# Altium PCB Sexy Rodent.PcbDoc
Units mil, origin at the board's own origin, x right, y up, seen from the top; angles counter-clockwise.
Board outline 2325 x 3380 mil, 2 copper layers (Top Layer, Bottom Layer); 62 components, 38 nets, 162 pads, 169 vias.
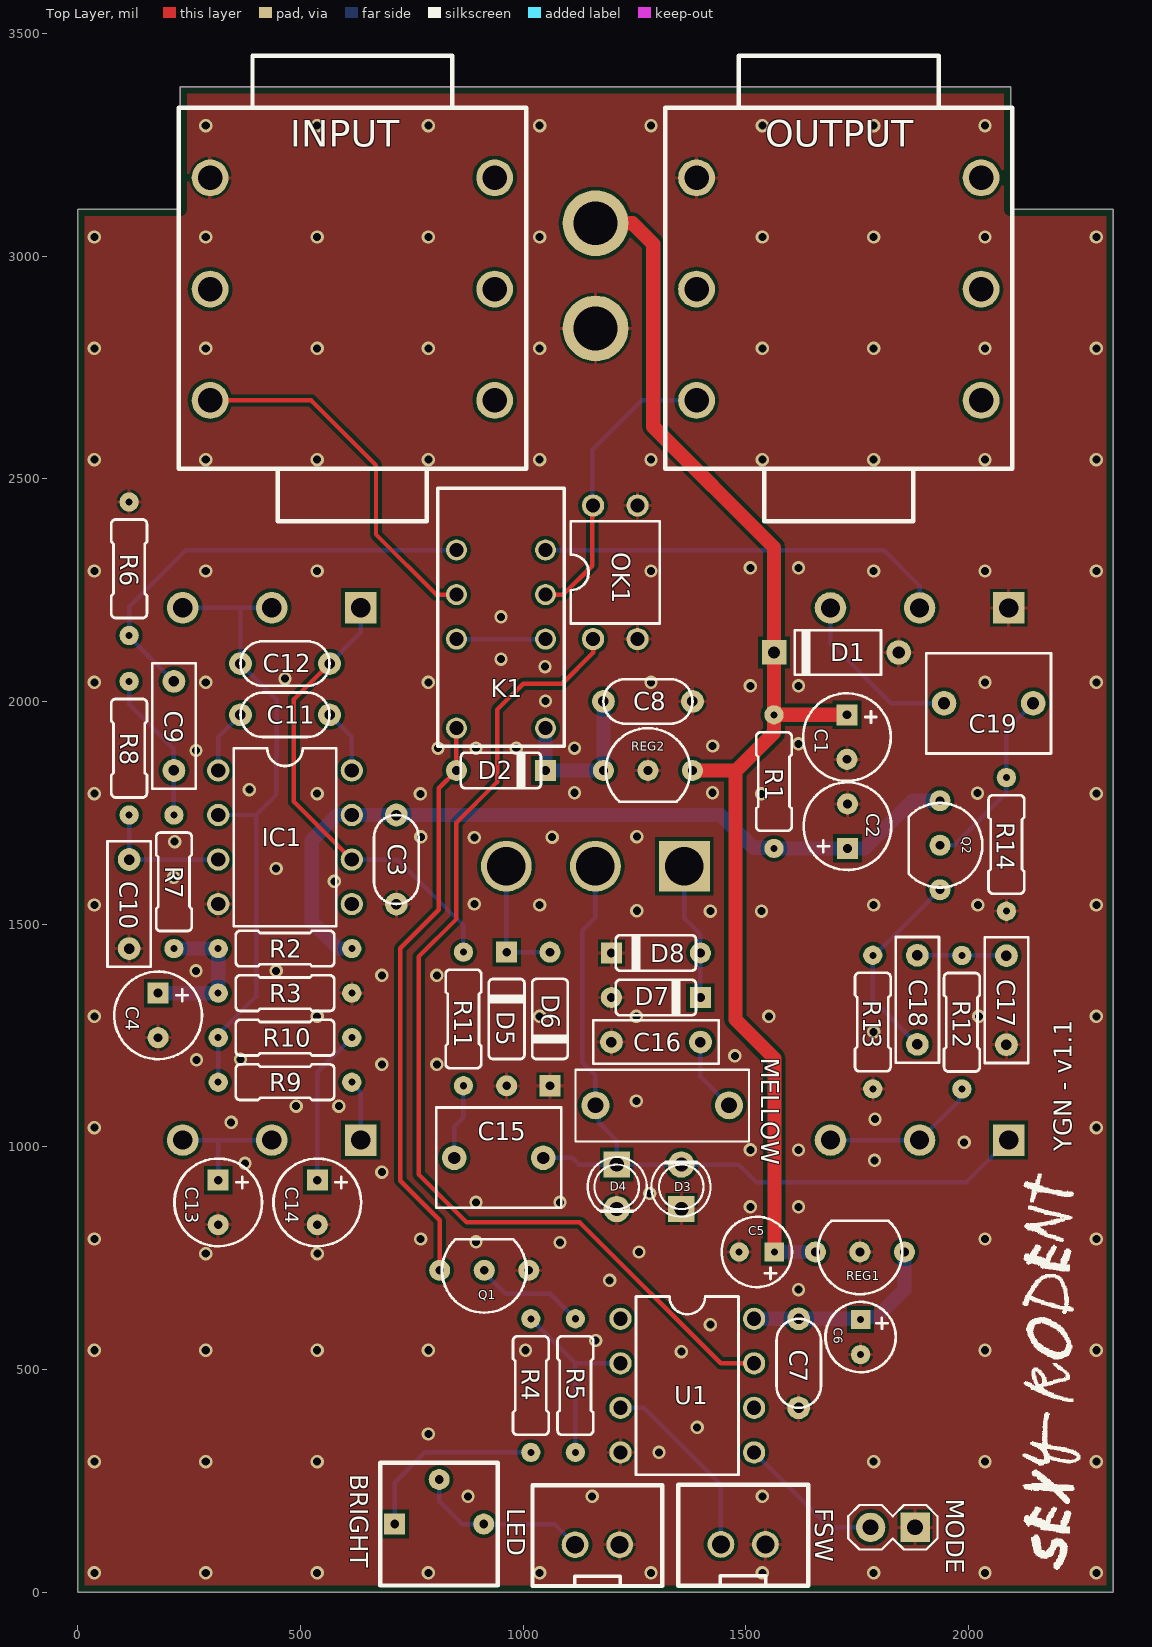
[diagram p0: Top Layer view]
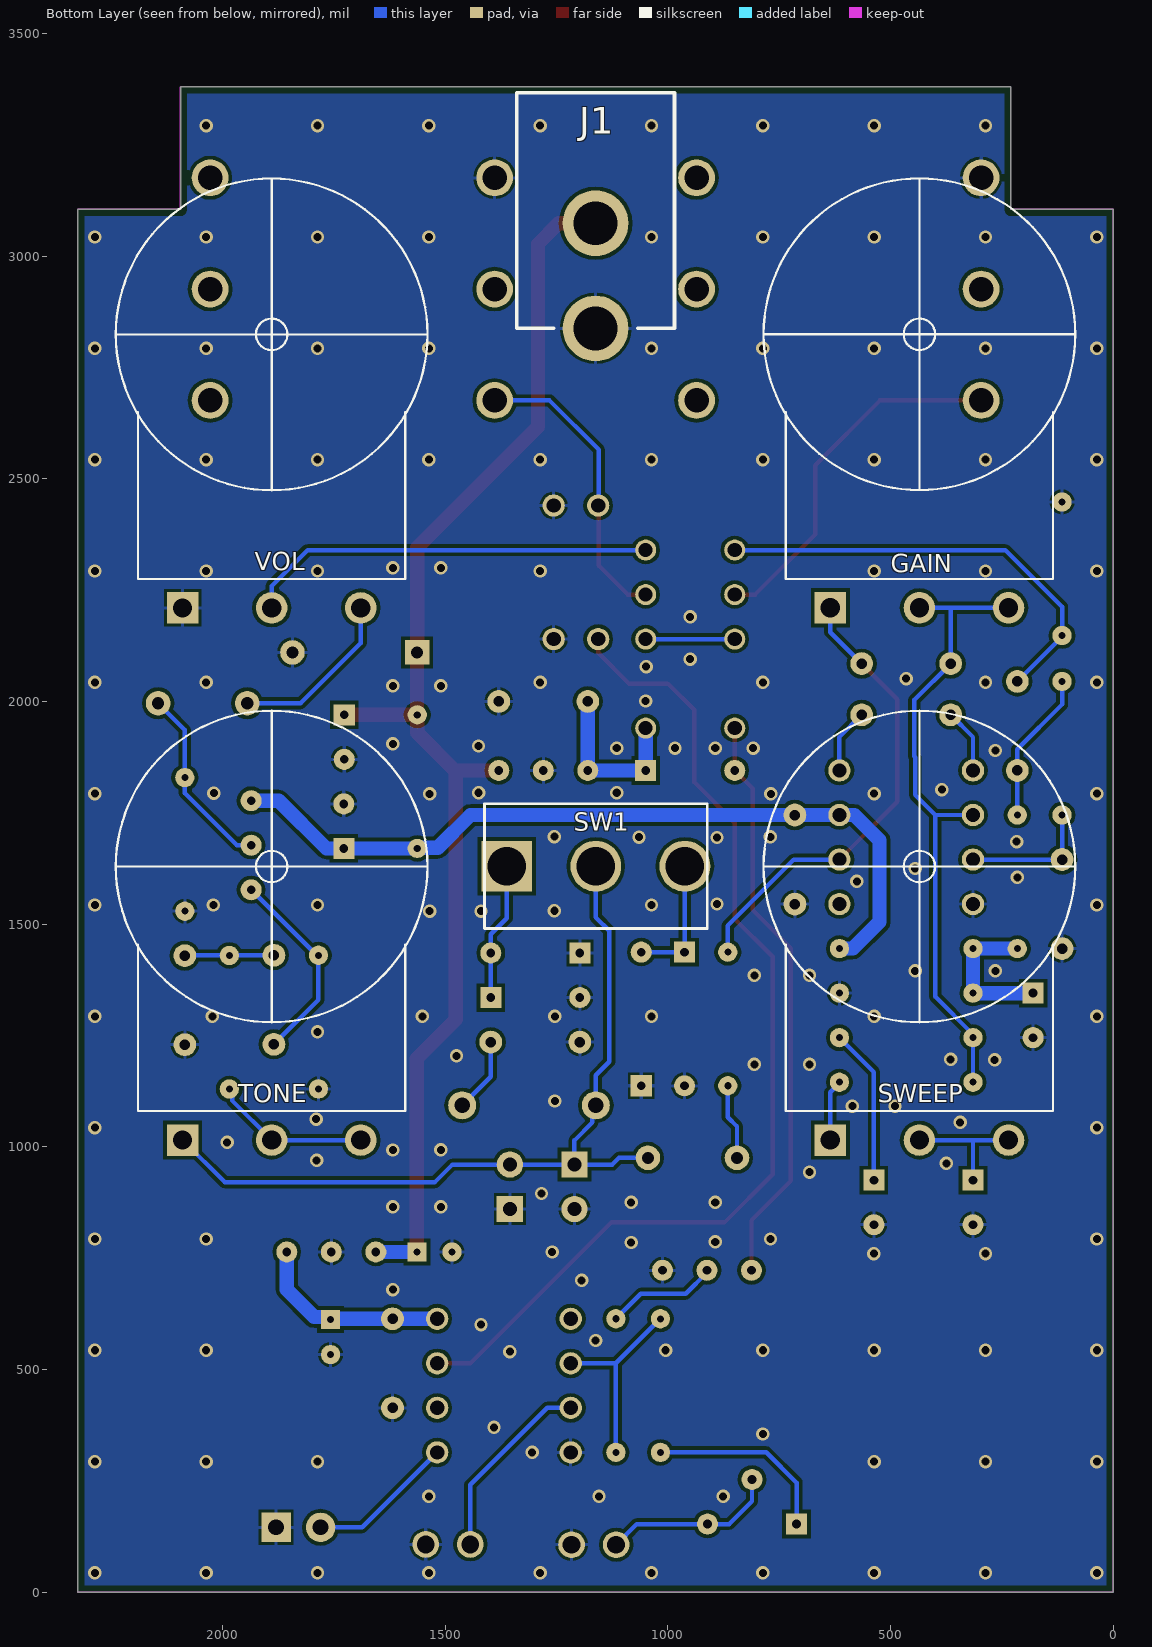
[diagram p1: Bottom Layer view, seen from below]
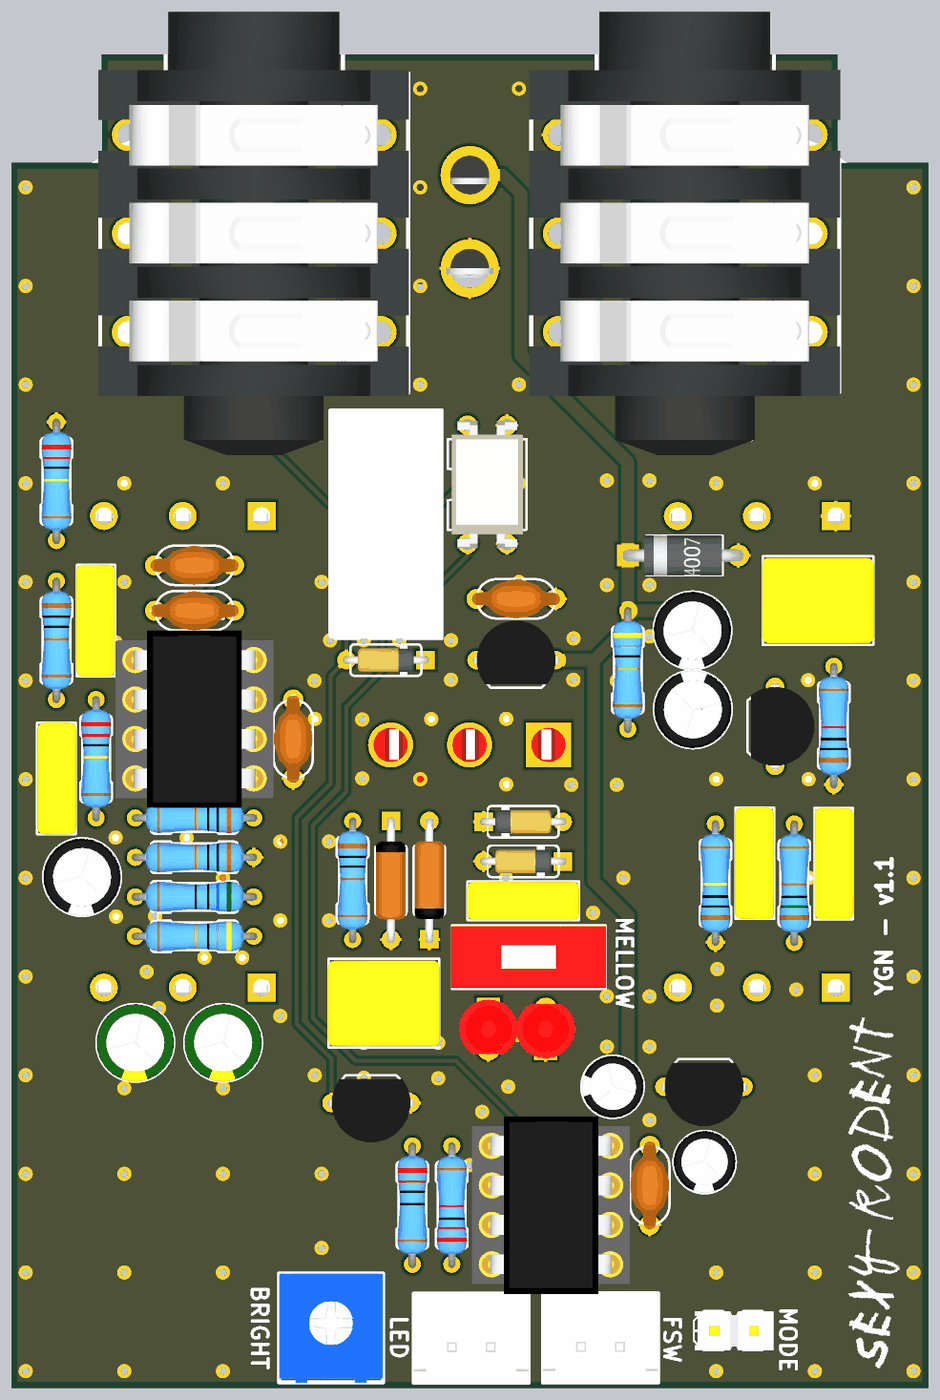
[diagram p2: 3D render of the assembled board from above, using the file's embedded part models]
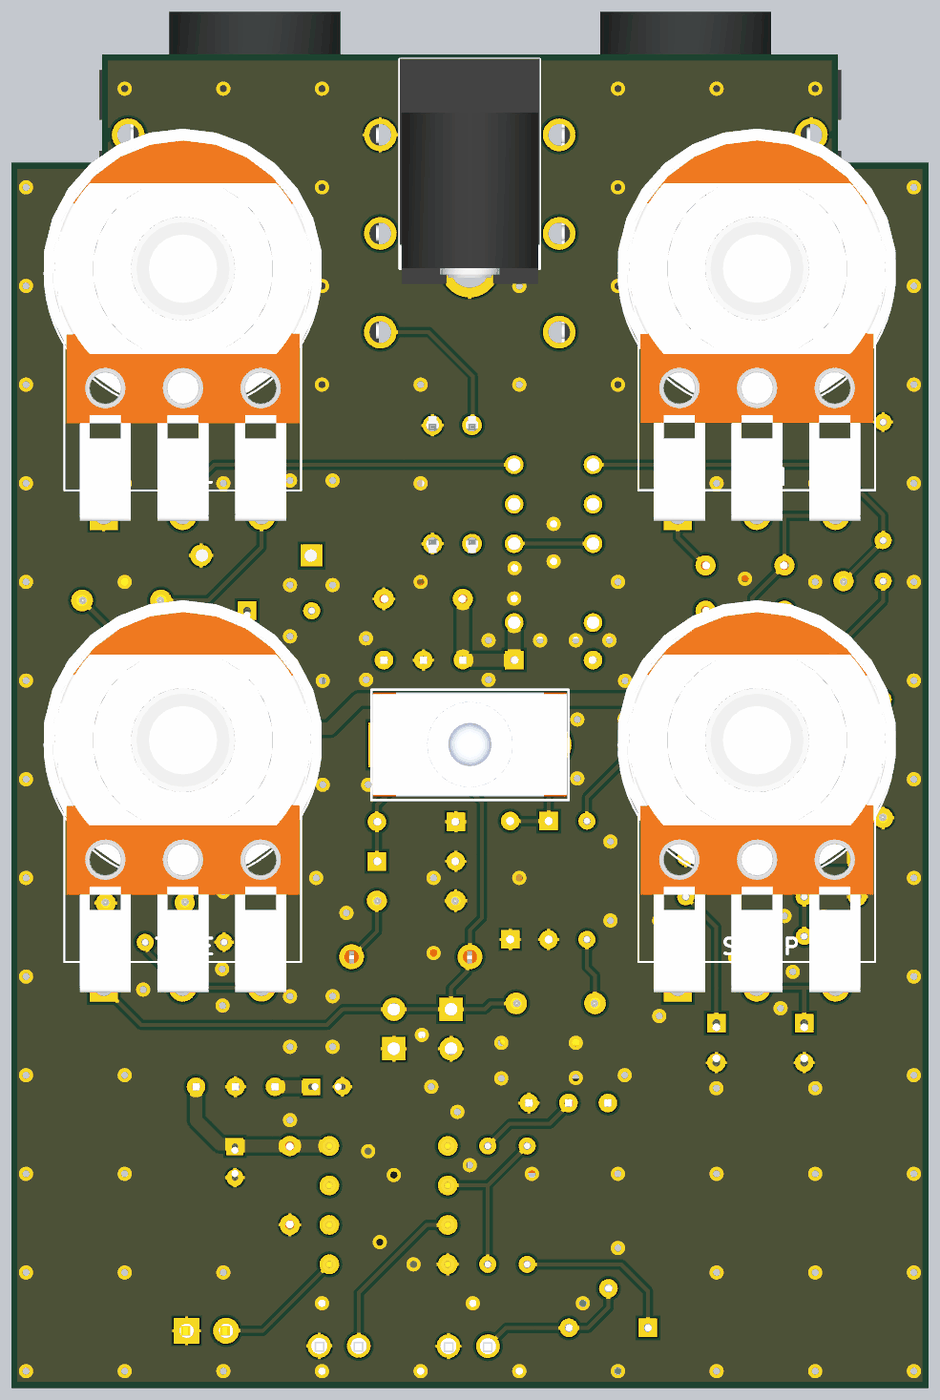
[diagram p3: 3D render of the assembled board from below, using the file's embedded part models]

## Layer stack, top to bottom
Top Solder: solder mask 0.4, Solder Resist, Dk 3.5
Top Layer: signal copper 1.4
Dielectric 1: dielectric 12.6, FR-4, Dk 4.8
Bottom Layer: signal copper 1.4
Bottom Solder: solder mask 0.4, Solder Resist, Dk 3.5

## Board outline
2094.65,3380 2094.65,3105 2325,3105 2325,0 0,0 0,3105 230,3105 230,3380

## Design rules (kind name [scope] priority, off if disabled: settings)
BoardOutlineClearance BottomOverlay [OnLayer('Bottom Overlay')] p1: gap=0 ignorepadtopadclearanceinfootprint=FALSE
BoardOutlineClearance TopOverlay [OnLayer('Top Overlay')] p2: gap=0 ignorepadtopadclearanceinfootprint=FALSE
BoardOutlineClearance [All] p3: gap=15 ignorepadtopadclearanceinfootprint=FALSE
Clearance [All] p1: gap=8 ignorepadtopadclearanceinfootprint=FALSE except(0: Arc-Text Arc-Hole Track-Text Track-Hole SMDPad-Text SMDPad-Hole THPad-Text THPad-Hole Via-Text Via-Hole Fill-Text Fill-Hole Poly-Text Poly-Hole Region-Text Region-Hole Text-Text Text-Hole)
ComponentClearance [All] p1 off: gap=1 collisioncheckmode=3 verticalgap=1 showdistances=FALSE
DiffPairsRouting [All] p1: maxlimit=393.7 minlimit=6 mostfreqgap=8 toplayer_minwidth=6 toplayer_maxwidth=15 toplayer_prefwidth=8 bottomlayer_minwidth=6 bottomlayer_maxwidth=15 bottomlayer_prefwidth=8 maxuncoupledlength=500
Height [All] p1 off: minheight=0 maxheight=1000 prefheight=500
HoleSize [All] p1: absolutevalues=TRUE maxlimit=265 minlimit=13 maxpercent=80.000 minpercent=20.000
HoleToHoleClearance [All] p1: gap=10 allowstackedmicrovias=FALSE
MinimumAnnularRing [All] p1: minimumring=6
MinimumSolderMaskSliver [All] p1: minsoldermaskwidth=0
PlaneClearance [All] p1: clearance=10
PlaneConnect [All] p1: planeconnectstyle=Direct reliefexpansion=16 reliefentries=4 reliefconductorwidth=6 reliefairgap=6
PolygonConnect Vias [All vs IsVia] p1: connectstyle=Direct reliefconductorwidth=10 reliefentries=4 polygonreliefangle="90 Angle" airgapwidth=10
PolygonConnect [All] p2: connectstyle=Relief reliefconductorwidth=8 reliefentries=4 polygonreliefangle="90 Angle" airgapwidth=6
RoutingCorners [All] p1: cornerstyle=45-Degree minsetback=49.21 maxsetback=49.21
RoutingVias [All] p1: holewidth=15 width=30 viastyle="Through Hole" minholewidth=13 minwidth=27 maxholewidth=100 maxwidth=114
SilkToSilkClearance [All] p1 off: silktosilkclearance=0
SilkToSolderMaskClearance [IsPad] p1 off: minsilkscreentomaskgap=6 clearancetoexposedcopper=TRUE
SolderMaskExpansion [All] p1: expansion=2.95
Width [All] p1: maxlimit=32 minlimit=10 preferedwidth=10
19 further rules are at their usual default settings.

## Components (designator, comment, footprint, x,y, rotation, side; value= is the part's Value field where it differs from the comment)
BRIGHT "10kB" BOURNS_3362P 811,152.74 r0 top
C1 "100u" ELEC_050_020 1727,1920 r270 top
C2 "100u" ELEC_050_020 1728.02,1720 r90 top
C3 "100n" CER_050 715,1645 r270 top
C4 "47u" ELEC_050_020 180,1295 r270 top
C5 "10u" ELEC_040_020 1525,763.74 r180 top
C6 "10u" ELEC_040_020 1757.66,573.27 r270 top
C7 "100n" CER_050 1618.59,513.69 r90 top
C8 "100n" CER_050 1280,2000.1 r180 top
C9 "22n" FILMBOX_SMALL 215.51,1945 r90 top
C10 "1n" FILMBOX_SMALL 115,1545 r270 top
C11 "30p" CER_050 465,1970 r180 top
C12 "100p" CER_050 465,2085 r180 top
C13 "2.2u" ELEC_LESR_050_020 315,875 r270 top
C14 "4.7u" ELEC_LESR_050_020 537.5,875 r270 top
C15 "1u" FILMBOX_BIG 945,978 r180 top
C16 "10n" FILMBOX_SMALL 1298,1235 r180 top
C17 "3.3n" FILMBOX_SMALL 2085,1329.15 r270 top
C18 "22n" FILMBOX_SMALL 1885,1330 r90 top
C19 "1u" FILMBOX_BIG 2045,1993 r0 top
D1 "1N4002" DO41_2 1703.34,2110 r0 top
D2 "1N4148" DO35_2 950,1845 r180 top
D3 "D_LED" LED_3MM 1355,910 r90 top
D4 "D_LED" LED_3MM 1210,910 r270 top
D5 "1N34A" DO35_3 962.73,1286.89 r270 top
D6 "1N34A" DO35_3 1060,1287 r90 top
D7 "1N4148" DO35_2 1297.87,1335 r180 top
D8 "1N4148" DO35_2 1297.87,1435.25 r0 top
FSW "J_JST-XH-02" JST-XH-02 1493.9,107.03 r0 top
GAIN "100kA" ALPHA_16mm_BOTTOM 435.26,2209.62 r180 bottom locked
IC1 "LM308N" DIL8 465,1695 r270 top
INPUT "J_STEREO" STEREO 616.36,2926 r90 top
J1 "J_DC_JACK" DC_JACK 1162.5,3257.15 r0 bottom
K1 "NA5W-K" NA5 950,2190 r90 top
LED "J_JST-XH-02" JST-XH-02 1166.45,106.38 r0 top
MELLOW "DIP" DIP_1WAY 1312.09,1043 r270 top
MODE "" HEADER_2PINS 1830,145.36 r0 top
OK1 "TLP222G" DIL4 1206.75,2290 r0 top
OUTPUT "J_STEREO" STEREO 1708.62,2926 r90 top
Q1 "2N3904" TO92 912.45,722.55 r180 top
Q2 "2N5457" TO92 1936,1677.11 r270 top
R1 "47R" R_3_47R_025W 1563.02,1820 r270 top
R2 "100k" R_3_100k_025W 465,1445 r180 top
R3 "100k" R_3_100k_025W 465,1345 r180 top
R4 "220R" R_3_220R_025W 1017,463.65 r270 top
R5 "22k" R_3_22k_025W 1117,463.74 r90 top
R6 "2.2M" R_3_2,2M_025W 115,2298 r270 top
R7 "2.2M" R_3_2,2M_025W 215.51,1595 r270 top
R8 "1k" R_3_1k_025W 115,1895 r270 top
R9 "47R" R_3_47R_025W 465,1145 r180 top
R10 "560R" R_3_560R_025W 465,1245 r180 top
R11 "1k" R_3_1k_025W 865.62,1287 r270 top
R12 "1.5k" R_3_1.5k_025W 1985,1279.62 r90 top
R13 "1M" R_3_1M_025W 1785,1280 r90 top
R14 "10k" R_3_10k_025W 2085,1679 r90 top
REG1 "LM78L05" TO92 1756.04,763.74 r180 top
REG2 "LM78L05" TO92 1280,1845 r0 top
SW1 "SPDT" SPDT 1162,1630 r0 bottom
SWEEP "1kB" ALPHA_16mm_BOTTOM 435.26,1014.37 r180 bottom locked
TONE "100kA" ALPHA_16mm_BOTTOM 1890,1014.37 r180 bottom locked
U1 "ATTINY85" DIP8 1368.39,463.65 r270 top
VOL "100kA" ALPHA_16mm_BOTTOM 1890,2209.37 r180 bottom locked

## Footprints (in the part's own frame and the unit in brackets; to place one, negate y for a bottom-side part, rotate by r counter-clockwise, add the part's x,y. Pads: shape width x height; smd on the part's side, far side on the other; paste and mask are expansions set on the pad)
ALPHA_16mm_BOTTOM [mil]
  rect 70.87x70.87 hole 43.31: 1(-200,0.63)
  round 70.87 hole 43.31: 2(0,0.63) 3(200,0.63)
  silkscreen extent -350,66 350,965, body extent -354,-12 445,982, height 1067
BOURNS_3362P [mil]
  rect 47.24x47.24 hole 19.69: 1(-99.75,0)
  round 47.24 hole 19.69: 2(0.25,100) 3(100.25,0)
  silkscreen extent -132,-138 132,138, body extent -132,-139 132,138, height 192
CER_050 [mil]
  round 51.18 hole 23.62: 1(-100,0) 2(100,0)
  silkscreen extent -100,-50 100,50, body extent -117,-49 110,66, height 196
DC_JACK [mil]
  round 147.65 hole 98.43: GND(0,183.15) PWR(0,419.37)
  silkscreen extent -177,-110 177,419, body extent -350,-112 177,458, height 433
DIL4 [mil]
  round 50 hole 32: 1(-50,-150) 2(50,-150) 3(50,150) 4(-50,150)
  silkscreen extent -100,-115 100,115, body extent -90,-173 90,173, height 174
DIL8 [mil]
  round 50 hole 32: 1(-150,-150) 2(-50,-150) 3(50,-150) 4(150,-150) 5(150,150) 6(50,150) 7(-50,150) 8(-150,150)
  silkscreen extent -200,-115 200,115, body extent -225,-200 225,200, height 335
DIP8 [mil]
  round 50 hole 32: 1(-150,-150) 2(-50,-150) 3(50,-150) 4(150,-150) 5(150,150) 6(50,150) 7(-50,150) 8(-150,150)
  silkscreen extent -200,-115 200,115, body extent -225,-200 225,200, height 335
DIP_1WAY [mil]
  round 62.99 hole 35.43: A1(-50,150) A2(-50,-150)
  silkscreen extent -130,-195 31,195, body extent -128,-197 29,197, height 259
DO35_2 [mil]
  round 47.24 hole 19.69: A(100,0)
  rect 47.24x47.24 hole 19.69: C(-100,0)
  silkscreen extent -90,-40 90,40, body extent -108,-30 108,30, height 60
DO35_3 [mil]
  round 47.24 hole 19.69: A(150,0)
  rect 47.24x47.24 hole 19.69: C(-150,0)
  silkscreen extent -90,-40 90,40, body extent -160,-38 160,38, height 77
DO41_2 [mil]
  round 55.12 hole 27.56: A(140,0)
  rect 55.12x55.12 hole 27.56: C(-140,0)
  silkscreen extent -94,-50 100,50, body extent -154,-52 154,52, height 112
ELEC_040_020 [mil]
  rect 43.31x43.31 hole 15.75: +(-38.8,0)
  round 43.31 hole 15.75: -(40,0)
  silkscreen extent -78,-79 80,79, body extent -79,-79 79,79, height 277
ELEC_050_020 [mil]
  rect 47.24x47.24 hole 19.69: +(-50,0)
  round 47.24 hole 19.69: -(50,0)
  silkscreen extent -98,-98 98,98, body extent -98,-98 98,98, height 277
ELEC_LESR_050_020 [mil]
  rect 47.24x47.24 hole 19.69: +(-50,0)
  round 47.24 hole 19.69: -(50,0)
  silkscreen extent -98,-98 98,98, body extent -98,-98 98,100, height 434
FILMBOX_BIG [mil]
  round 55.12 hole 27.56: 1(-100,3) 2(100,3)
  silkscreen extent -140,-110 140,115, body extent -142,-105 142,111, height 453
FILMBOX_SMALL [mil]
  round 51.18 hole 23.62: 1(-100,0) 2(100,0)
  silkscreen extent -141,-49 141,49, body extent -142,-48 142,50, height 256
HEADER_2PINS [mil]
  rect 66x66 hole 35.43: 1(50,0)
  round 66 hole 35.43: 2(-50,0)
  silkscreen extent -100,-50 100,50, body extent -102,-50 102,50, height 330
JST-XH-02 [mil]
  round 60 hole 40: 1(-50,0) 2(50,0)
  silkscreen extent -146,-93 146,134, body extent -146,-95 146,131, height 276
LED_3MM [mil]
  rect 59.06x59.06 hole 31.5: ANODE(-50,0)
  round 59.06 hole 31.5: P$1(50,0)
  silkscreen extent -67,-65 56,67, body extent -75,-75 160,75, height 221
NA5 [mil]
  round 47.25 hole 31.5: 1(-250,-100) 3(-50,-100) 4(50,-100) 5(150,-100) 8(150,100) 9(50,100) 10(-50,100) 12(-250,100)
  silkscreen extent -290,-142 289,142, body extent -291,-144 291,144, height 362
R_3_1.5k_025W [mil]
  round 43.31 hole 15.75: 1(-150,0) 2(150,0)
  silkscreen extent -111,-40 111,40, body extent -160,-38 160,38, height 83
R_3_1k_025W [mil]
  round 43.31 hole 15.75: 1(-150,0) 2(150,0)
  silkscreen extent -111,-40 111,40, body extent -160,-38 160,38, height 83
R_3_1M_025W [mil]
  round 43.31 hole 15.75: 1(-150,0) 2(150,0)
  silkscreen extent -111,-40 111,40, body extent -160,-38 160,38, height 83
R_3_2,2M_025W [mil]
  round 43.31 hole 15.75: 1(-150,0) 2(150,0)
  silkscreen extent -111,-40 111,40, body extent -160,-38 160,38, height 83
R_3_10k_025W [mil]
  round 43.31 hole 15.75: 1(-150,0) 2(150,0)
  silkscreen extent -111,-40 111,40, body extent -160,-38 160,38, height 83
R_3_22k_025W [mil]
  round 43.31 hole 15.75: 1(-150,0) 2(150,0)
  silkscreen extent -111,-40 111,40, body extent -160,-38 160,38, height 83
R_3_47R_025W [mil]
  round 43.31 hole 15.75: 1(-150,0) 2(150,0)
  silkscreen extent -111,-40 111,40, body extent -160,-38 160,38, height 83
R_3_100k_025W [mil]
  round 43.31 hole 15.75: 1(-150,0) 2(150,0)
  silkscreen extent -111,-40 111,40, body extent -160,-38 160,38, height 83
R_3_220R_025W [mil]
  round 43.31 hole 15.75: 1(-150,0) 2(150,0)
  silkscreen extent -111,-40 111,40, body extent -160,-38 160,38, height 83
R_3_560R_025W [mil]
  round 43.31 hole 15.75: 1(-150,0) 2(150,0)
  silkscreen extent -111,-40 111,40, body extent -160,-38 160,38, height 83
SPDT [mil]
  rect 114.17x114.17 hole 86.61: 1(200,0)
  round 114.17 hole 86.61: 2(0,0) 3(-200,0)
  silkscreen extent -250,-140 250,140, body extent -246,-145 246,131, height 1113
STEREO [mil]
  round 82.68 hole 55.12: R(0,319.49) RN(0,-319.49) S(250,319.49) SN(250,-319.49) T(-250,319.49) TN(-250,-319.49)
  silkscreen extent -522,-390 524,390, body extent -562,-392 562,395, height 610
TO92 [mil]
  round 47.24 hole 19.69: 1(100,0) 2(0,0) 3(-100,0)
  silkscreen extent -95,-70 95,95, body extent -109,-61 109,100, height 255

## Part data
BRIGHT: library part TRIM_10kB_3362P, "10k Lin 3362P trimmer", Price=0.1
C1 C2: library part C_ELEC_100u_16V, "100u 16V electrolytic capacitor", Package=Radial, Dimensions=5x8mm, PinSpacing=2mm, Price=0.02
C3 C7 C8: library part C_CER_100n, "100n MLCC X7R radial capacitor", Package=Radial, PinSpacing=5.08mm, Price=0.02
C4: library part C_ELEC_47u_25V, "47u 25V electrolytic capacitor", Package=Radial, Dimensions=5x8mm, PinSpacing=2mm, Price=0.02
C5 C6: library part C_ELEC_10u_50V, "10u 50V electrolytic capacitor", Package=Radial, Dimensions=4x8mm, PinSpacing=2mm, Price=0.02
C9 C18: library part C_FILMBOX_22n, "22n 100V polyester film box capacitor", Package=Radial, Dimensions=7.2x2.5x6.5mm, PinSpacing=5.08mm, Price=0.05
C10: library part C_FILMBOX_1n, "1n 100V polyester film box capacitor", Package=Radial, Dimensions=7.2x2.5x6.5mm, PinSpacing=5.08mm, Price=0.05
C11: library part C_CER_30p, "30p MLCC X7R radial capacitor", Package=Radial, PinSpacing=5.08mm, Price=0.01
C12: library part C_CER_100p, "100p MLCC X7R radial capacitor", Package=Radial, PinSpacing=5.08mm, Price=0.01
C13: library part C_ELEC_LESR_2.2u_50V, "2.2u 50V Low ESR ectrolytic capacitor", Package=Radial, Dimensions=5x11mm, PinSpacing=2mm, Price=0.05
C14: library part C_ELEC_LESR_4.7u_50V, "4.7u 50V Low ESR ectrolytic capacitor", Package=Radial, Dimensions=5x11mm, PinSpacing=2mm, Price=0.05
C15 C19: library part C_FILMBOX_1u, "1u 100V polyester film box capacitor", Package=Radial, Dimensions=7.2x6x11mm, PinSpacing=5.08mm, Price=0.1
C16: library part C_FILMBOX_10n, "10n 100V polyester film box capacitor", Package=Radial, Dimensions=7.2x2.5x6.5mm, PinSpacing=5.08mm, Price=0.05
C17: library part C_FILMBOX_3.3n, "3.3n 100V polyester film box capacitor", Package=Radial, Dimensions=7.2x2.5x6.5mm, PinSpacing=5.08mm, Price=0.05
D1: library part D_1N4002, Package=DO-41, PinSpacing=7.62mm, Price=0.01
D2 D7 D8: library part D_1N4148, Package=DO-35, PinSpacing=5.08mm, Price=0.01
D3 D4: "LED", Package=T1, Dimensions=3mm, Price=0.01
D5 D6: library part D_1N34A, Package=DO-7, PinSpacing=7.62mm, Price=0.2
FSW LED: "2 Pins male XH header", Price=0.1
GAIN TONE VOL: library part POT_100kA_ALPHA_16mm, "100k Log potentiometer round shaft", Package="PCB Mounted", Dimensions=16mm, Price=0.5
IC1: library part IC_LM308N, Package=DIP-8, Price=0.3
INPUT OUTPUT: "6.35mm stereo insulated socket jack PCB mounted", Price=0.5
J1: "DC Power jack 2.1mm barrel", Price=0.05
K1: library part K_NA5W-K, Price=1.1
MELLOW: library part SW_DIP_1WAY, "DIP Switch 1 way", Price=0.1
MODE: library part J_HEADER_2PINS, "2 Pins male header", Pin spacing=2.54mm, Price=0.01
OK1: library part OK_TLP222G, Price=0.36
Q1: library part Q_2N3904, Package=TO-92, Price=0.01
Q2: library part Q_2N5457, Package=TO-92, Price=0.2
R1 R9: library part R_3_47R_025W, "47R metal film 1/4W Resistor", PinSpacing=7.62mm, Price=0.01
R2 R3: library part R_3_100k_025W, "100k metal film 1/4W Resistor", PinSpacing=7.62mm, Price=0.01
R4: library part R_3_220R_025W, "220R metal film 1/4W Resistor", PinSpacing=7.62mm, Price=0.01
R5: library part R_3_22k_025W, "22k metal film 1/4W Resistor", PinSpacing=7.62mm, Price=0.01
R6 R7: library part R_3_2.2M_025W, "2.2M metal film 1/4W Resistor", PinSpacing=7.62mm, Price=0.01
R8 R11: library part R_3_1k_025W, "1k metal film 1/4W Resistor", PinSpacing=7.62mm, Price=0.01
R10: library part R_3_560R_025W, "560R metal film 1/4W Resistor", PinSpacing=7.62mm, Price=0.01
R12: library part R_3_1.5k_025W, "1.5k metal film 1/4W Resistor", PinSpacing=7.62mm, Price=0.01
R13: library part R_3_1M_025W, "1M metal film 1/4W Resistor", PinSpacing=7.62mm, Price=0.01
R14: library part R_3_10k_025W, "10k metal film 1/4W Resistor", PinSpacing=7.62mm, Price=0.01
REG1 REG2: library part REG_LM78L05, "78L05", Package=TO-92, Price=0.01
SW1: library part SW_SPDT_ON-OFF-ON, "SPDT toggle switch ON/OFF/ON", Price=0.5
SWEEP: library part POT_1kB_ALPHA_16mm, "1k Lin potentiometer round shaft", Package="PCB Mounted", Dimensions=16mm, Price=0.5
U1: library part U_ATTINY85, "ATTINY85-20PU", Package=DIP-8, Price=1.2

## Via types
v1: diameter 30, hole 18, Top Layer to Bottom Layer, 169 vias

## Nets (pads, with @x,y where several pads share a name; then routed paths per layer and width w, separated by ;. In a path a pad name is that pad's centre, name@x,y a point inside that pad or via, vN(x,y) a via of type N, cw(c..) or ccw(c..) an arc to the next point about the centre after c; other vN are vias at no path point)
+5V: C6.+ C7.2 REG1.3 U1.8 | length 450.7
  Bottom Layer w32: U1.8 C7.2 C7.2 1756.04,613.69 C6.+ 1763.31,617.72 1794.55,617.72 1856.04,679.21 REG1.3
+9V: C1.+ C5.+ D1.C J1.GND R1.1 REG1.1 REG2.1 | length 2955.8
  Top Layer w32: J1.GND 1245.53,3074 1292,3027.53 1292,2616.98 1563.02,2345.96 1563.02,2100.32 1563.34,2100 R1.1@1563.34,1970.32 ; REG2.1@1382.21,1842.79 REG2.1 1476.41,1845 ; C5.+ 1564,763.94 1564,1198 1476.41,1285.59 1476.41,1845 ; R1.1@1563.83,1970.81 R1.1@1563.34,1970.32 ; C1.+ R1.1 ; 1476.41,1845 1477.45,1843.96 1563.02,1929.53 R1.1 ; R1.1 R1.1@1563.34,1970.32
  Bottom Layer w32: C5.+ REG1.1
GND: C1.- C2.- C3.2 C4.- C5.- C6.- C7.1 C8.1 C10.2 C13.- C14.- C16.2 C17.2 D1.A D3.ANODE D4.P$1 D5.A D6.C D7.A D8.C FSW.2 IC1.4 INPUT.S J1.PWR LED.2 MODE.1 OK1.2 OK1.3 OUTPUT.S Q1.3 R3.1 R6.1 R13.1 R14.1 REG1.2 REG2.2 U1.4 VOL.1
  other v1: 37,43 287,43 537,43 787,43 1037,43 1287,43 1537,43 1787,43 2037,43 2287,43 876.06,215 1154.8,215 1537,215 37,293 287,293 537,293 1787,293 2037,293 2287,293 1305,313.65 787,355 1390.53,370 1355,540 37,543 287,543 537,543 787,543 1005,543 2037,543 2287,543 1162.5,565 1420,600.42 1618,679.22 1193.87,700 287,760 537.5,760 1260,763.74 1082.55,785 893.81,786.29 37,793 769.79,793 2037,793 2287,793 1510,865 1618,865 893.81,875 1082.55,875 1284,895 682.27,943 375,962.64 1788.89,969.37 1510,993.1 1618,992.78 1990,1010 37,1043 2287,1043 343.89,1055 1790,1061.89 490,1091 585.88,1091 1254.13,1102.63 682.27,1185 806,1185 266.23,1195 365,1196.33 1475,1204.22 1787,1258 37,1293 537,1293 1037,1293 1254.13,1293 1551.68,1293 2023,1293 2287,1293 682.27,1385 806,1385 265,1395.09 445,1395.09 1420,1529.07 1535,1529.07 1255,1530 37,1543 1037,1543 1787,1543 2020.96,1543 2287,1543 890,1545 575.72,1596 215.51,1605 445,1625 217,1685 890,1694.47 1065,1695.4 770,1695.9 1255,1696.22 37,1793 537,1793 769,1792.55 1535,1792.55 2287,1793 2020,1794 1115,1795 1425.09,1795 385,1801.97 265,1890 808.67,1895 893.81,1895 984.28,1895 1115,1895 1425.49,1900 1618,1905 1050,2001 1510,2035 1618,2035 37,2043 287,2043 787,2043 1287,2043 2037,2043 2287,2043 465,2051.12 1049,2078 950,2095 950,2190 37,2293 287,2293 537,2293 1287,2293 1787,2293 2037,2293 2287,2293 1510,2300 1618,2300 37,2543 287,2543 537,2543 787,2543 1037,2543 1287,2543 1537,2543 1787,2543 2037,2543 2287,2543 37,2793 287,2793 537,2793 787,2793 1037,2793 1537,2793 1787,2793 2037,2793 2287,2793 37,3043 287,3043 537,3043 787,3043 1037,3043 1537,3043 1787,3043 2037,3043 2287,3043 287,3293 537,3293 787,3293 1037,3293 1287,3293 1537,3293 1787,3293 2037,3293
INPUT: INPUT.T K1.9 | length 832
  Top Layer w10: INPUT.T@291.02,2665 INPUT.T@296.02,2660 ; INPUT.T 524,2676 669.34,2530.66 669.34,2375 804.34,2240 K1.9
NetBRIGHT_1: BRIGHT.1 R4.2 | length 426.9
  Bottom Layer w10: BRIGHT.1 711.25,245.73 779.17,313.65 R4.2
NetBRIGHT_2: BRIGHT.2 BRIGHT.3 LED.1 | length 394.5
  Bottom Layer w10: BRIGHT.2 811.25,203.75 862.26,152.74 BRIGHT.3 1070.08,152.74 LED.1
NetC8_2: C8.2 D2.C K1.1 REG2.3 | length 380.1
  Bottom Layer w32: K1.1 D2.C REG2.3 C8.2
NetC9_1: C9.1 R7.1 R8.1 | length 341.6
  Bottom Layer w10: R8.1 115,1993.35 215.51,1892.84 C9.1 R7.1
NetC10_1: C10.1 IC1.3 R8.2 | length 300
  Bottom Layer w10: R8.2 C10.1 IC1.3
NetC11_1: C11.1 IC1.8 | length 145.7
  Bottom Layer w10: C11.1 615,1920 IC1.8
NetC11_2: C11.2 IC1.1 | length 145.7
  Bottom Layer w10: IC1.1 315,1920 C11.2
NetC12_1: C12.1 GAIN.1 IC1.6 R11.1 | length 1053.1
  Top Layer w10: C12.1 485,2005 485,1775 IC1.6
  Bottom Layer w10: C12.1 635.26,2155.26 GAIN.1 ; IC1.6 717.27,1645 865.62,1496.65 R11.1
NetC12_2: C12.2 GAIN.2 GAIN.3 IC1.2 R9.2 R10.2 | length 1459.8
  Bottom Layer w10: GAIN.3@235,2210 GAIN.3@235,2230.91 ; GAIN.3 365,2210.26 ; R9.2 R10.2 315,1252.26 400,1337.26 400,1745 ; IC1.2 400,1745 ; GAIN.2 365,2210.26 ; 365,2210.26 C12.2 446.59,2003.41 446.59,1876.59 445,1875 445,1790 400,1745
  Bottom Layer w15: GAIN.2@435,2210 GAIN.2
NetC13_+: C13.+ SWEEP.2 SWEEP.3 | length 290
  Bottom Layer w10: SWEEP.3 315,1015 ; C13.+ 315,1015 ; SWEEP.2 315,1015
NetC14_+: C14.+ R10.1 | length 352.1
  Bottom Layer w10: C14.+ 537.5,1167.5 R10.1
NetC15_1: C15.1 D3.P$1 D4.ANODE MELLOW.A2 SW1.2 TONE.1 | length 1825.2
  Bottom Layer w10: C15.1 1110,975 1125,960 D4.ANODE ; SW1.2@1160,1628 SW1.2 1162,1515 1132,1485 1132,1190.84 1162.09,1160.75 MELLOW.A2 1169.55,1085.54 1169.55,1054.7 1210,1014.25 D4.ANODE ; TONE.1@2090.75,1014.25 TONE.1 1995.63,920.63 1523.37,920.63 1484,960 D3.P$1 D4.ANODE
NetC15_2: C15.2 R11.2 | length 170.5
  Bottom Layer w10: C15.2 845,1045.61 865.62,1066.23 R11.2
NetC16_1: C16.1 MELLOW.A1 | length 168.5
  Bottom Layer w10: C16.1 1398,1157.09 MELLOW.A1
NetC17_1: C17.1 C18.2 R12.2 | length 200.4
  Bottom Layer w10: C18.2 1984.62,1430 R12.2 2084.53,1429.62 C17.1
NetC18_1: C18.1 Q2.1 R13.2 | length 453.4
  Bottom Layer w10: C18.1 1785,1330 R13.2 1788.89,1430 Q2.1
NetC19_1: C19.1 VOL.3 | length 389.9
  Bottom Layer w10: VOL.3 1690,2131.1 1825.1,1996 C19.1
NetC19_2: C19.2 Q2.2 R14.2 | length 424.1
  Bottom Layer w10: Q2.2 1967.89,1677.11 2085,1794.21 R14.2 2085,1936 C19.2
NetD2_A: D2.A K1.12 Q1.1 | length 1306.5
  Top Layer w10: Q1.1 812.45,834.93 723.77,923.61 723.77,1445.99 810,1532.22 810,1805 D2.A K1.12
NetD5_C: D5.C D6.A SW1.3 | length 291.1
  Bottom Layer w10: SW1.3@961.73,1629.73 SW1.3 962,1437.62 D5.C 1059.89,1436.89 D6.A
NetD7_C: D7.C D8.A SW1.1 | length 315.5
  Bottom Layer w10: SW1.1@1360,1628 SW1.1 1362,1513 1397.87,1477.13 D8.A D7.C D7.C@1399.87,1333
NetK1_3: K1.3 K1.10 | length 200
  Bottom Layer w10: K1.10 K1.3
NetQ1_2: Q1.2 R5.2 | length 252.6
  Bottom Layer w10: Q1.2 912.45,717.55 960.15,669.85 1060.89,669.85 R5.2
NetR9_1: R9.1 SWEEP.1 | length 138.4
  Bottom Layer w10: R9.1 615,1142.74 635.26,1122.49 SWEEP.1
NetR12_1: R12.1 TONE.2 TONE.3 | length 354
  Bottom Layer w10: TONE.3 TONE.2 1978.89,1103.89 1978.89,1123.51 R12.1
OUTPUT: K1.4 OK1.4 OUTPUT.T | length 673.5
  Top Layer w10: K1.4 1090,2240 1155,2305 1155,2438.25 OK1.4
  Bottom Layer w10: OK1.4 1155,2441.75 1155,2565 1266,2676 OUTPUT.T
PB0: MODE.2 U1.5 | length 331.3
  Bottom Layer w10: U1.5 1686.69,145.36 MODE.2
PB2: OK1.1 U1.7 | length 2344.6
  Top Layer w10: OK1.1 1156.75,2109.29 1087.45,2040 1000,2040 941.2,1981.2 941.2,1818.96 850,1727.76 850,1511.68 765,1426.68 765,938.06 873.06,830 1127.18,830 1443.52,513.65 U1.7
PB3: R4.1 R5.1 U1.2 | length 442.7
  Bottom Layer w10: R4.1 1117,513.65 ; R5.1 1117,513.65 ; U1.2 1117,513.65
PB4: FSW.1 U1.3 | length 431.1
  Bottom Layer w10: U1.3 1271.35,413.65 1443.9,241.1 FSW.1
RETURN: K1.5 VOL.2 | length 922.7
  Bottom Layer w10: K1.5 1809.26,2340 1890,2259.26 VOL.2
SEND: C9.2 K1.8 R6.2 | length 996.9
  Bottom Layer w10: C9.2 115,2145.51 R6.2 115,2212.38 242.62,2340 K1.8
Vb: C4.+ R2.2 R3.2 R7.2 | length 334.5
  Bottom Layer w32: C4.+ R3.2 R2.2 R7.2
Vr: C2.+ C3.1 IC1.7 Q2.3 R1.2 R2.1 | length 1808
  Bottom Layer w32: R2.1 585.09,1445 525,1505.09 525,1688.28 581.72,1745 IC1.7 C3.1 1443.28,1745 1517.04,1671.24 1561.78,1671.24 R1.2 C2.+ 1767,1670 1874.11,1777.11 Q2.3
pads on no net: IC1.5 INPUT.R INPUT.RN INPUT.SN INPUT.TN OUTPUT.R OUTPUT.RN OUTPUT.SN OUTPUT.TN U1.1 U1.6

## Polygon pours and split planes (outlines as drawn)
GND on Top Layer "GND_L01_P010" (solid, pour order 10): 0,0 2325,0 2325,3105 2094.65,3105 2094.65,3380 230,3380 230,3105 0,3105
GND on Bottom Layer "GND_L02_P008" (solid, pour order 8): 0,0 2325,0 2325,3100 2330,3105 2094.65,3105 2094.65,3380 230,3380 230,3105 0,3105

## Keep-outs
Keep-Out Layer:
  the board outline again, w1

## Silkscreen, mask and mechanical layers (free items; w line width, h text height)
Top Overlay:
  drawing of 10 lines, arcs and shapes, not listed
  text "YGN - v1.1" at 2231.86,990 h40 r90
Mechanical 3:
  lines w1: 230,3380 230,3105 0,3105 0,0 2325,0 ; 230,3380 230,3380 ; 230,3380 2094.65,3380 2094.65,3105 2325,3105 ; 2325,0 2325,0 ; 2325,0 2325,3105 ; 2325,3105 2325,3105